# KiCad board control-logic-midplane.kicad_pcb (continued)
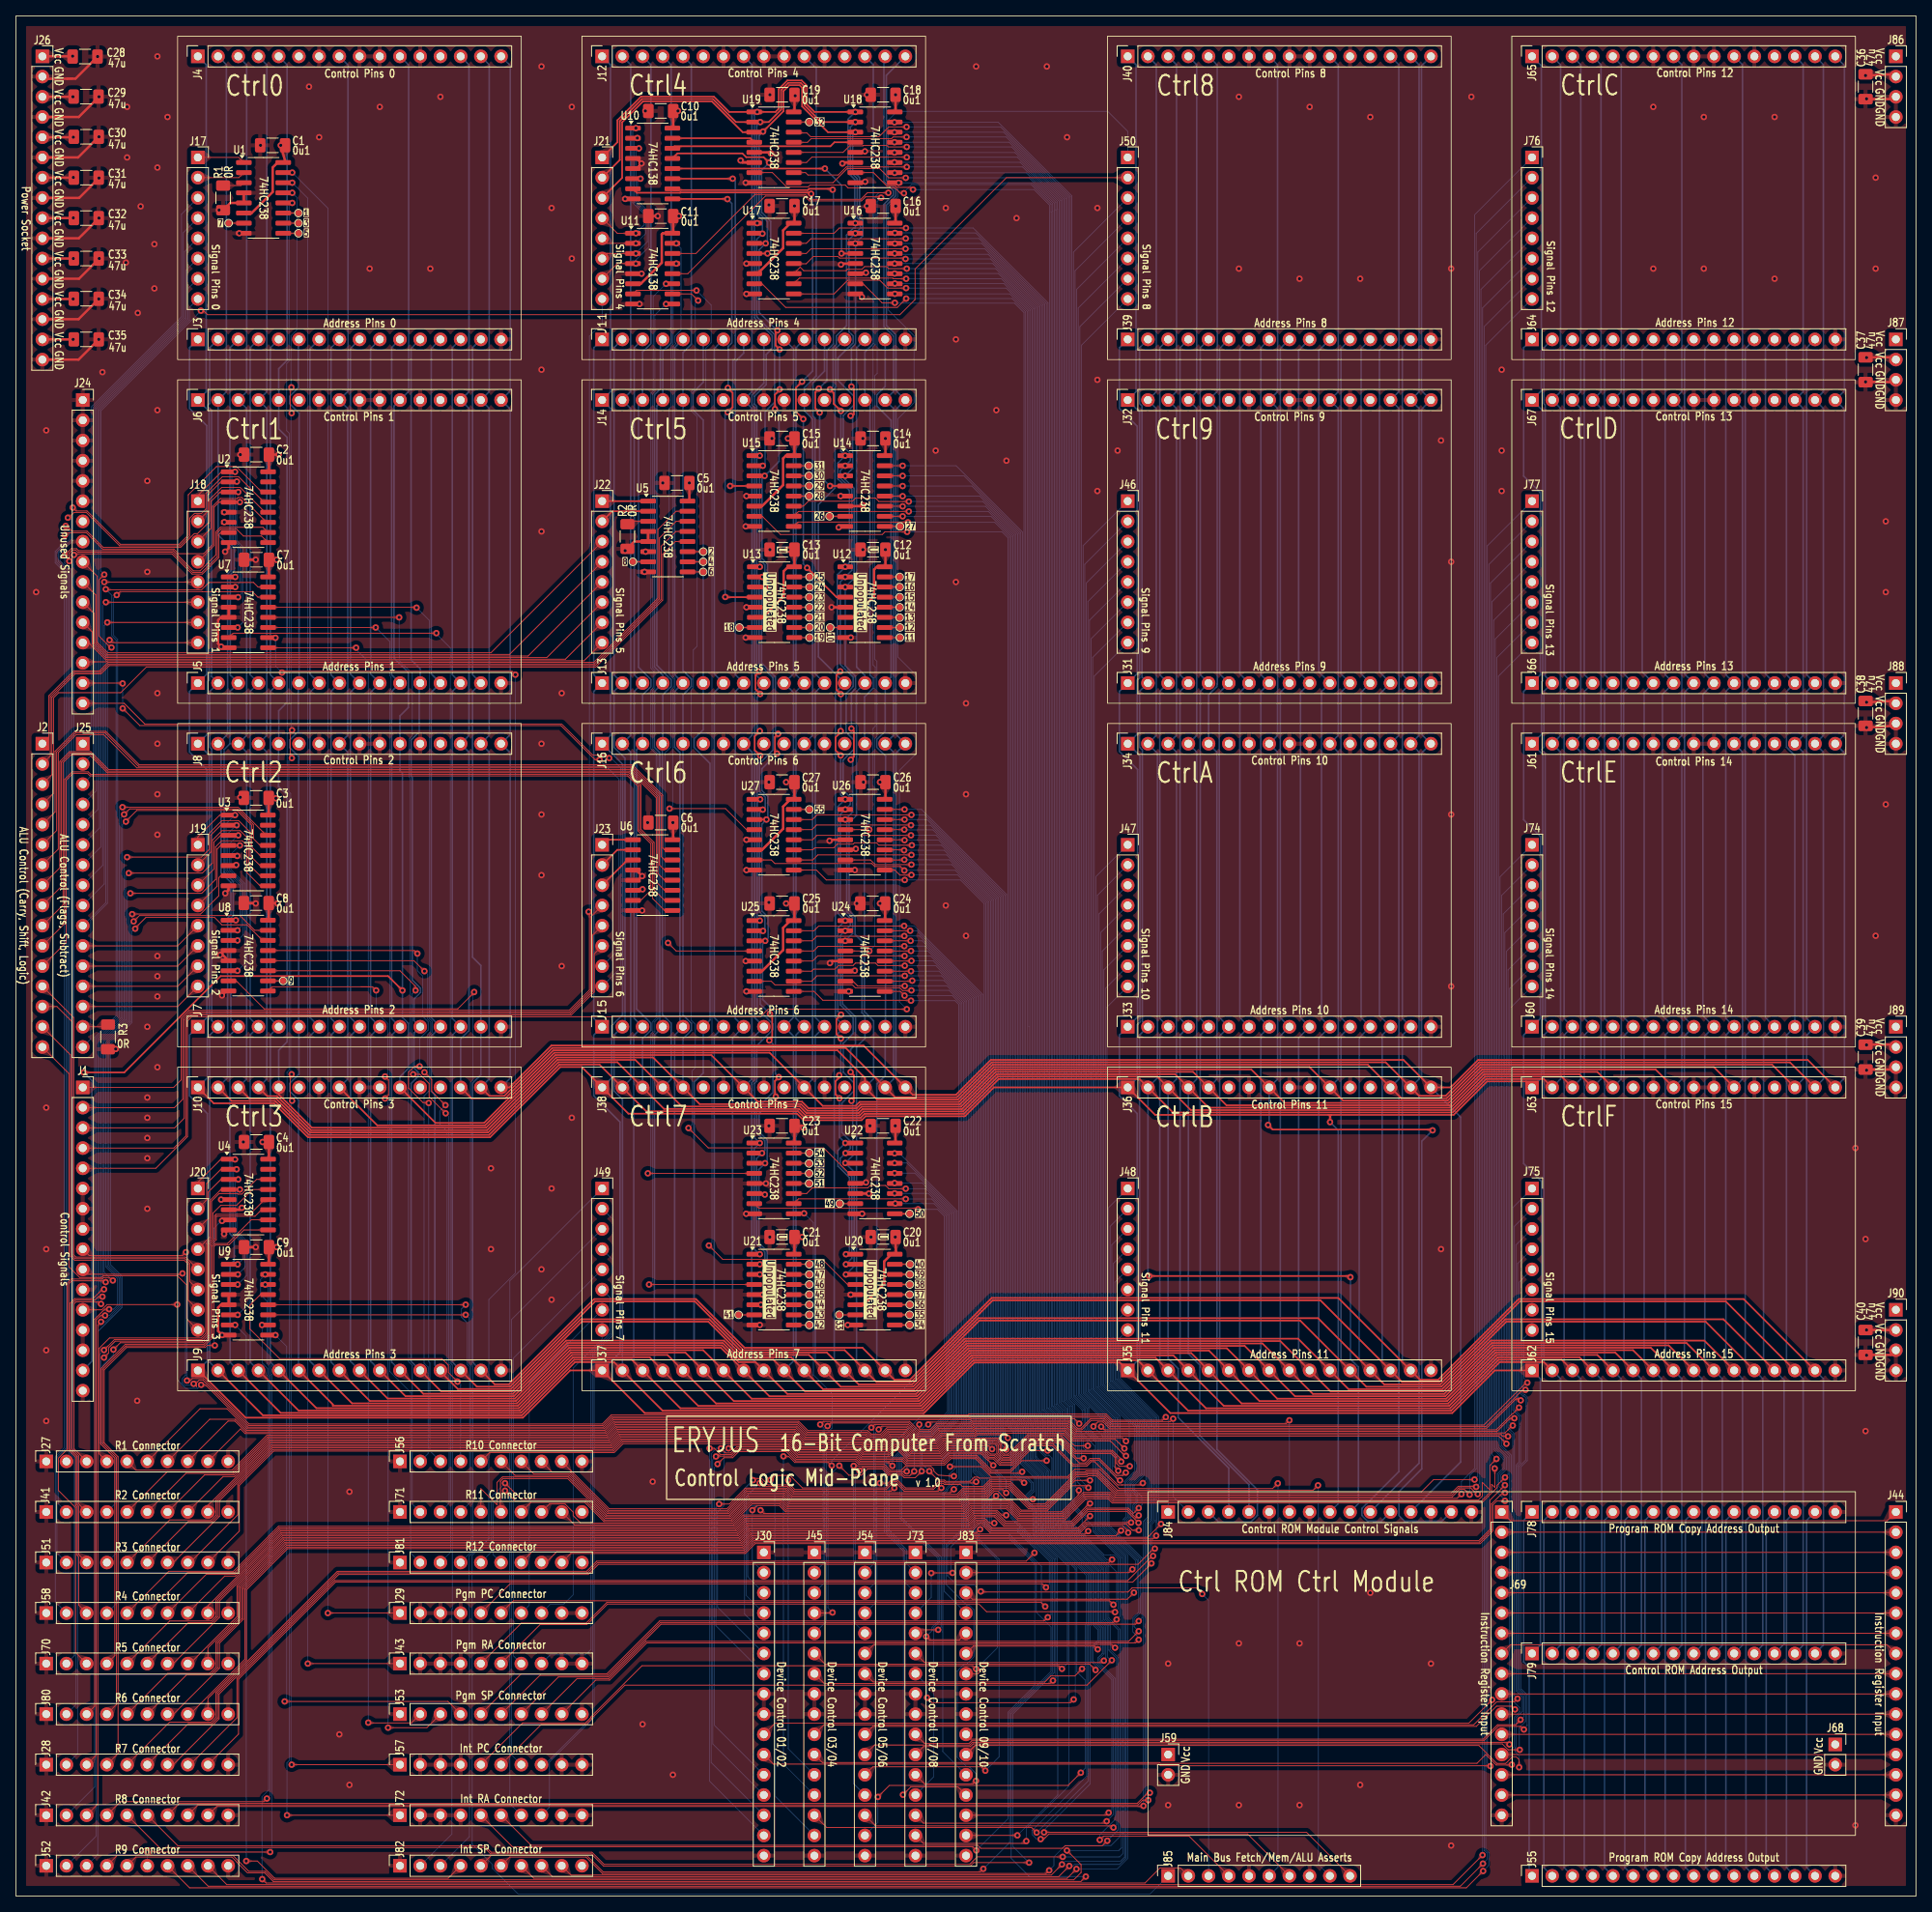
[diagram p0: board, top side]
## Routing (per net, layer and track width the routed paths; a pad name or vN(x,y) marks a point on that pad's centre or on a via; arc(x,y) is an arc through that point) (continued)
SignalMainBusAssertDev05: length 107.6
  Top w0.1: v1(120.66,52.06) 120.51,51.91 116.76,51.91 116.61,52.06 115.96,52.06 115.18,51.28 111.77,51.28 110.79,52.26 109.98,52.26 109.6,51.88 v1(108.56,51.88) ; U24.15 v1(112.37,121.29)
  Bottom w0.1: J54.4 108.18,37.06 108.18,51.5 v1(108.56,51.88) ; v1(112.37,121.29) 113.18,121.29 121.27,113.2 121.27,58.97 121.26,58.96 121.26,58.43 120.06,57.23 120.06,52.65 v1(120.66,52.06)
SignalMainBusAssertDev06: length 130.4
  Top w0.1: v1(121.81,15.75) 121.33,16.24 107.68,16.24 J54.12 ; U24.14 v1(112.42,120.02)
  Bottom w0.1: v1(112.42,120.02) 113.89,120.02 120.87,113.03 120.87,59.13 120.86,59.12 120.86,58.59 119.66,57.4 119.66,46.19 123.54,42.32 123.54,17.48 v1(121.81,15.75)
SignalMainBusAssertDev07: length 95.9
  Top w0.1: U24.13 v1(112.47,118.75) ; v1(115.01,40.58) 115.04,40.61 v1(117.69,40.61)
  Bottom w0.1: v1(115.01,40.58) 115.01,37.54 J73.4 ; v1(117.69,40.61) 117.46,40.83 117.46,43.85 119.26,45.66 119.26,57.57 120.45,58.76 120.45,59.29 120.47,59.3 120.47,112.87 114.59,118.75 v1(112.47,118.75)
SignalMainBusAssertDev08: length 124.6
  Top w0.1: U24.12 112.5,117.48 v1(112.52,117.5) ; v1(120.64,14.48) 120.26,14.1 114.17,14.1 J73.12
  Bottom w0.1: v1(112.52,117.5) 115.27,117.5 120.07,112.7 120.07,59.46 120.05,59.45 120.05,58.93 118.86,57.73 118.86,46.11 116.86,44.11 116.86,39.16 119.46,36.56 119.79,36.56 120.38,35.97 120.38,30.07 119.44,29.13 119.14,29.13 118.28,28.28 118.28,17.44 119.48,16.24 119.79,16.24 120.64,15.4 v1(120.64,14.48)
SignalMainBusAssertDev09: length 91.4
  Top w0.1: U24.11 v1(112.47,116.21)
  Bottom w0.1: v1(112.47,116.21) 116,116.21 119.67,112.54 119.67,59.63 119.66,59.62 119.66,59.09 118.46,57.9 118.46,52.53 117.07,51.13 117.07,50.96 116.66,50.55 116.66,38.28 J83.4
SignalMainBusAssertDev10: length 110.8
  Top w0.1: v1(112.62,115.01) 112.55,114.94 109.16,114.94
  Bottom w0.1: v1(112.62,115.01) 112.65,115.04 116.6,115.04 119.27,112.37 119.27,59.8 119.26,59.78 119.26,59.26 118.06,58.06 118.06,53.78 117.28,53 117.28,52.51 117.29,52.51 117.29,51.63 116.86,51.21 116.86,51.04 116.46,50.63 116.46,33.7 116.47,33.7 116.47,33.21 116.46,33.21 116.46,18.16 J83.12
SignalMainBusAssertFetch: length 168
  Top w0.1: v1(111.66,118.11) 111.56,118.14 100.76,118.14 100.1,117.48 U25.12 ; v1(149.06,37.96) 148.3,38.71 140.24,38.71 139.73,38.2 121.32,38.2 v1(121.23,38.28)
  Bottom w0.1: v1(149.06,37.96) 149.86,37.16 J85.3 ; v1(111.66,118.11) 114.94,118.11 120.27,112.78 120.27,59.38 120.26,59.37 120.26,58.84 119.06,57.65 119.06,46.02 117.06,44.02 117.06,40.23 118.19,39.1 120.42,39.1 v1(121.23,38.28)
SignalMainBusAssertIntPC: length 181.1
  Top w0.1: J57.5 63.67,21.76 71.58,21.76 72.22,22.4 72.22,22.49 78.67,28.94 120.25,28.94 v1(120.66,28.53) ; v1(111.63,119.35) 111.6,119.33 100.81,119.33 100.23,118.75 U25.13
  Bottom w0.1: v1(111.63,119.35) 114.26,119.35 120.67,112.95 120.67,59.22 120.66,59.2 120.66,58.68 119.46,57.48 119.46,46.11 123.33,42.24 123.33,31.21 v1(120.66,28.53)
SignalMainBusAssertIntRA: length 207.2
  Top w0.1: v1(111.63,120.62) 111.6,120.6 100.63,120.6 100.05,120.02 U25.14 ; J72.5 62.4,6.18 120.23,6.18 v1(120.69,5.73)
  Bottom w0.1: v1(111.63,120.62) 113.56,120.62 121.07,113.12 121.07,59.05 121.05,59.04 121.05,58.51 119.86,57.32 119.86,52.03 120.39,51.51 120.39,46.41 120.38,46.4 120.38,45.76 121.07,45.06 124.66,45.06 128.01,41.71 128.01,26.45 124.66,23.09 124.66,9.7 v1(120.69,5.73)
SignalMainBusAssertIntSP: length 212.9
  Top w0.1: v1(121.56,3.43) 121.17,3.04 73.78,3.04 71.71,5.11 59.72,5.11 J82.5 ; U25.15 100.28,121.29 100.86,121.87 111.58,121.87 v1(111.61,121.89)
  Bottom w0.1: v1(111.61,121.89) 112.85,121.89 121.47,113.28 121.47,58.88 121.45,58.87 121.45,58.35 120.26,57.15 120.26,53.28 121.36,52.19 121.36,47.1 120.58,46.32 120.58,45.84 121.16,45.26 124.74,45.26 128.21,41.79 128.21,35.66 130.05,33.81 130.05,28.21 124.86,23.01 124.86,6.73 v1(121.56,3.43)
SignalMainBusAssertMemory: length 168.2
  Top w0.1: 104.2,114.94 105.18,114.94 105.76,114.35 v1(111.68,114.35) ; v1(117.36,53.96) 121.29,53.96 122.54,52.71 132.16,52.71 133.06,53.61 136.22,53.61 138.63,51.2 157.91,51.2 v1(158.56,51.86)
  Bottom w0.1: v1(111.68,114.35) 111.7,114.37 116.98,114.37 119.07,112.29 119.07,59.88 119.05,59.87 119.05,59.34 117.86,58.15 117.86,54.46 v1(117.36,53.96) ; v1(158.56,51.86) 158.58,51.84 158.58,3.64 J85.6
SignalMainBusAssertPgmPC: length 185.3
  Top w0.1: J29.5 62.1,39.24 128.97,39.24 v1(129.44,38.78) ; 104.2,130.18 107.38,130.18 107.97,129.59 v1(112.52,129.59)
  Bottom w0.1: v1(112.52,129.59) 117.61,129.59 122.27,124.94 122.27,58.55 122.26,58.54 122.26,58.01 121.08,56.84 121.08,53.59 122.16,52.52 122.16,46.53 122.61,46.08 125.88,46.08 129.85,42.1 129.85,39.2 v1(129.44,38.78)
SignalMainBusAssertPgmRA: length 182.5
  Top w0.1: v1(129.33,36.38) 128.81,36.9 74.26,36.9 71.66,34.31 63.51,34.31 J43.5 ; v1(112.52,128.3) 112.5,128.3 112.48,128.27 111.07,128.27 110.44,128.91 U26.9
  Bottom w0.1: v1(112.52,128.3) 118.34,128.3 121.87,124.77 121.87,58.72 121.86,58.71 121.86,58.18 120.66,56.99 120.66,53.45 121.76,52.35 121.76,46.37 122.45,45.68 124.61,45.68 128.85,41.44 128.85,36.86 v1(129.33,36.38)
SignalMainBusAssertPgmSP: length 188
  Top w0.1: J53.5 63.49,27.93 74.26,27.93 80.89,34.56 129.19,34.56 v1(129.66,35.03) ; U26.10 111.61,130.18 v1(111.63,130.2)
  Bottom w0.1: v1(129.66,35.03) 130.05,35.32 130.05,42.19 125.97,46.28 122.69,46.28 122.36,46.61 122.36,52.6 121.28,53.68 121.28,56.76 122.45,57.93 122.45,58.46 122.47,58.47 122.47,125.02 117.29,130.2 v1(111.63,130.2)
SignalMainBusAssertR1: length 214.8
  Top w0.1: U27.14 100.08,135.26 100.66,135.84 112.27,135.84 v1(112.52,135.84) ; v1(124.64,57.56) 124.23,57.96 120.83,57.96 120.63,57.76 116.32,57.76 115.54,56.98 112.97,56.98 111.71,58.24 109.69,58.24 108.9,57.45 107.22,57.45 106.8,57.88 99.28,57.88 98.12,59.04 75.38,59.04 74.25,57.91 31.54,57.91 27.14,53.51 15.07,53.51 J27.5
  Bottom w0.1: v1(124.64,57.56) 124.27,57.92 124.27,125.76 114.19,135.84 v1(112.52,135.84)
SignalMainBusAssertR2: length 217.4
  Top w0.1: v1(124.44,56.11) 124.44,56.51 123.39,57.56 116.4,57.56 115.62,56.78 112.89,56.78 111.63,58.04 109.77,58.04 108.98,57.25 107.14,57.25 106.71,57.68 99.2,57.68 98.03,58.84 75.47,58.84 74.34,57.71 31.63,57.71 27.23,53.31 19.02,53.31 J41.5 ; v1(112.47,134.54) 112.45,134.57 100.61,134.57 100.03,133.99 U27.13
  Bottom w0.1: v1(124.44,56.11) 123.86,56.69 123.86,57.88 123.87,57.89 123.87,125.6 114.92,134.54 v1(112.47,134.54)
SignalMainBusAssertR3: length 217.3
  Top w0.1: J51.5 19.32,47.26 24.54,47.26 25.13,47.85 25.13,49.8 32.04,56.71 74.75,56.71 75.88,57.84 97.62,57.84 98.78,56.68 106.3,56.68 106.72,56.25 109.4,56.25 110.19,57.04 111.21,57.04 112.47,55.78 116.04,55.78 116.82,56.56 122.26,56.56 v1(122.66,56.16) ; U27.12 100.1,132.72 100.65,133.27 112.46,133.27 v1(112.47,133.27)
  Bottom w0.1: v1(112.47,133.27) 115.63,133.27 123.47,125.43 123.47,58.06 123.45,58.04 123.45,56.95 v1(122.66,56.16)
SignalMainBusAssertR4: length 224
  Top w0.1: v1(112.57,132.03) 108.44,132.03 108.13,132.33 105.37,132.33 105.2,132.17 103.21,132.17 102.74,131.7 100.38,131.7 100.13,131.45 U27.11 ; v1(124.44,47.86) 123.89,47.86 123.28,48.46 120.17,48.46 119.39,47.68 91.47,47.68 90.25,46.46 32.98,46.46 27.34,40.81 19.22,40.81 J58.5
  Bottom w0.1: v1(112.57,132.03) 116.31,132.03 123.07,125.27 123.07,58.22 123.05,58.21 123.05,57.68 121.88,56.51 121.88,53.93 122.49,53.33 123.11,53.33 123.74,52.69 123.74,48.55 v1(124.44,47.86)
SignalMainBusAssertR5: length 224.9
  Top w0.1: v1(112.52,130.81) 100.76,130.81 100.13,130.18 U27.10 ; v1(122.94,46.86) 122.34,46.86 121.73,47.46 120.59,47.46 119.81,46.68 91.89,46.68 90.66,45.46 33.4,45.46 25.13,37.19 25.13,35.15 24.54,34.56 19.32,34.56 J70.5
  Bottom w0.1: v1(112.52,130.81) 116.96,130.81 122.67,125.1 122.67,58.39 122.66,58.38 122.66,57.85 121.48,56.67 121.48,53.76 122.55,52.69 122.55,47.24 v1(122.94,46.86)
SignalMainBusAssertR6: length 226.3
  Top w0.1: v1(111.68,127.66) 101.83,127.66 100.58,128.91 U27.9 ; J80.5 19.09,27.98 24.35,27.98 25.13,28.76 25.13,31.9 28.17,34.94 28.17,38.81 33.81,44.46 91.08,44.46 92.3,45.68 120.76,45.68 v1(121.16,46.08)
  Bottom w0.1: v1(121.16,46.08) 121.55,46.48 121.55,52.27 120.46,53.36 120.46,57.07 121.66,58.26 121.66,58.79 121.67,58.8 121.67,124.69 118.69,127.66 v1(111.68,127.66)
SignalMainBusAssertR7: length 245.5
  Top w0.1: U27.7 94.92,130.18 95.37,129.73 107.55,129.73 107.92,129.36 111.13,129.36 v1(111.63,128.85) ; v1(127.98,43.13) 126.94,42.08 72.98,42.08 71.71,40.81 40.39,40.81 25.13,25.55 25.13,22.45 24.54,21.86 19.32,21.86 J28.5
  Bottom w0.1: v1(111.63,128.85) 111.65,128.88 118.05,128.88 122.07,124.85 122.07,58.64 122.05,58.62 122.05,58.1 120.86,56.9 120.86,53.53 121.95,52.44 121.95,46.45 122.53,45.88 125.8,45.88 127.98,43.69 v1(127.98,43.13)
SignalMainBusAssertR8: length 263.3
  Top w0.1: J42.5 18.4,5.73 18.78,6.11 58.84,6.11 59.64,5.31 72.3,5.31 73.83,3.78 119.92,3.78 120.34,4.21 v1(127.31,4.21) ; 109.16,136.53 111.63,136.53 111.66,136.5
  Bottom w0.1: v1(127.31,4.21) 125.26,6.26 125.26,22.85 130.45,28.05 130.45,42.35 125.22,47.58 125.22,58.41 124.47,59.17 124.47,125.85 113.79,136.53 v1(111.66,136.53)
SignalMainBusAssertR9: length 277.3
  Top w0.1: J52.5 15.07,4.91 27.13,4.91 27.77,4.27 27.77,4.25 29.1,2.91 31.27,2.91 32.34,1.84 133.82,1.84 v1(134.44,2.46) ; U26.14 v1(111.66,135.26)
  Bottom w0.1: v1(134.44,2.46) 127.33,2.46 125.05,4.74 125.05,22.93 130.25,28.13 130.25,42.27 125.02,47.5 125.02,56.35 124.05,57.31 124.05,57.8 124.07,57.81 124.07,125.68 114.49,135.26 v1(111.66,135.26)
SignalMainBusAssertR10: length 157.5
  Top w0.1: v1(122.81,54.11) 122.18,54.73 122.13,54.73 121.3,55.56 117.23,55.56 116.45,54.78 112.06,54.78 110.8,56.04 110.6,56.04 109.81,55.25 106.31,55.25 105.88,55.68 98.37,55.68 97.2,56.84 76.3,56.84 75.17,55.71 59.52,55.71 J56.5 ; U26.13 v1(111.63,133.99)
  Bottom w0.1: v1(122.81,54.11) 123.66,54.95 123.66,57.96 123.67,57.97 123.67,125.52 115.22,133.96 111.65,133.96 v1(111.63,133.99)
SignalMainBusAssertR11: length 170.7
  Top w0.1: v1(124.44,50.66) 124.03,51.06 122.84,51.06 122.04,50.26 119.43,50.26 118.65,49.48 97.2,49.48 96.42,50.26 92.07,50.26 89.67,47.86 74.21,47.86 69.41,52.66 61.14,52.66 60.45,51.97 60.45,49.16 58.42,51.19 J71.5 ; U26.12 111.61,132.72 v1(111.66,132.66)
  Bottom w0.1: v1(124.44,50.66) 124.44,52.28 123.19,53.53 122.57,53.53 122.08,54.01 122.08,56.43 123.26,57.6 123.26,58.13 123.27,58.14 123.27,125.35 115.95,132.66 v1(111.66,132.66)
SignalMainBusAssertR12: length 169.6
  Top w0.1: U26.11 111.61,131.45 111.63,131.42 ; v1(123.16,50.28) 122.74,49.86 119.59,49.86 118.81,49.08 97.04,49.08 96.26,49.86 92.24,49.86 89.83,47.46 74.05,47.46 71.64,49.86 63.48,49.86 v1(61.46,51.88)
  Bottom w0.1: v1(111.61,131.39) 116.66,131.39 122.87,125.18 122.87,58.3 122.86,58.29 122.86,57.77 121.68,56.59 121.68,53.85 122.4,53.13 123.02,53.13 123.54,52.61 123.54,50.66 v1(123.16,50.28) ; v1(61.46,51.88) 59.76,50.18 59.76,43.25 J81.5
SignalMainBusAssertSwapALUResult: length 255.1
  Top w0.1: J85.10 162.17,8 v1(129.19,8)
  Bottom w0.1: v1(129.19,8) 129.18,8.3 134.95,14.08 134.95,33.87 135.11,34.02 135.11,40.52 129.58,46.05 129.58,53.25 127.82,55.01 127.82,59.49 127.07,60.24 127.07,199.11 124.87,201.31 v1(110.45,201.31)
SignalMainBusAssertSwapCtl01: length 218.8
  Top w0.1: v1(127.79,49.86) 127.19,49.86 124.98,52.06 122.42,52.06 121.62,51.26 119.01,51.26 118.23,50.48 97.62,50.48 96.84,51.26 91.66,51.26 89.65,49.26 v1(88.36,49.26) ; U15.11 98.95,174.62 99.57,175.25 105.1,175.25 105.5,175.64 108.01,175.64 108.44,175.21 v1(112.19,175.21)
  Bottom w0.1: J30.7 87.96,33.96 87.96,48.86 v1(88.36,49.26) ; v1(127.79,49.86) 128.18,50.25 128.18,52.67 126.42,54.43 126.42,58.91 125.67,59.66 125.67,171.05 121.51,175.21 v1(112.19,175.21)
SignalMainBusAssertSwapCtl02: length 240.6
  Top w0.1: U15.10 98.33,173.96 v1(112.19,173.96) ; v1(87.16,56.26) 87.76,56.26 88.54,55.48 89.89,55.48 90.65,56.24 96.96,56.24 98.12,55.08 105.64,55.08 106.06,54.65 111.34,54.65 111.81,54.18 116.7,54.18 117.48,54.96 120.57,54.96 122.4,53.13 126.26,53.13 v1(126.44,53.31)
  Bottom w0.1: v1(87.16,56.26) 87.16,14.44 J30.15 ; v1(126.44,53.31) 126.29,53.31 126.02,53.57 126.02,58.74 125.27,59.5 125.27,170.89 122.19,173.96 v1(112.19,173.96)
SignalMainBusAssertSwapCtl03: length 206.1
  Top w0.1: J45.7 101.57,26.7 129.93,26.7 v1(130.31,27.08) ; v1(112.09,172.59) 112.05,172.64 98.28,172.64 U15.9
  Bottom w0.1: v1(130.31,27.08) 130.66,27.43 130.66,42.43 127.78,45.31 127.78,48.47 126.8,49.45 126.8,50.26 127.58,51.04 127.58,51.86 126.91,52.53 126.11,52.53 125.62,53.01 125.62,58.58 124.87,59.33 124.87,170.72 122.99,172.59 v1(112.09,172.59)
SignalMainBusAssertSwapCtl04: length 234.4
  Top w0.1: v1(126.69,51.93) 126.33,52.28 122.36,52.28 121.54,51.46 118.93,51.46 118.69,51.71 116.68,51.71 116.53,51.86 116.04,51.86 115.26,51.08 111.69,51.08 110.71,52.06 110.06,52.06 109.28,51.28 98.84,51.28 97.26,52.86 95.39,52.86 v1(94.81,52.28) ; U15.7 93.78,173.36 96.07,171.07 108.86,171.07 109.19,171.4 v1(111.99,171.4)
  Bottom w0.1: v1(126.69,51.93) 126.42,51.93 125.42,52.93 125.42,58.49 124.67,59.25 124.67,170.64 123.91,171.4 v1(111.99,171.4) ; v1(94.81,52.28) 95.36,51.73 95.36,12.59 J45.15
SignalMainBusAssertSwapCtl05: length 196.1
  Top w0.1: v1(133.96,28.56) 133.06,27.66 130.04,27.66 129.28,26.9 107.72,26.9 J54.7 ; U14.15 v1(111.42,179.71)
  Bottom w0.1: 128.98,46.56 128.98,53 127.22,54.76 127.22,59.24 126.47,60 126.47,171.38 118.14,179.71 v1(111.42,179.71) ; 128.98,46.56 128.98,45.81 134.51,40.28 134.51,34.27 134.35,34.12 134.35,28.95 v1(133.96,28.56) ; 128.98,46.56 128.98,45.96
SignalMainBusAssertSwapCtl06: length 211.7
  Top w0.1: v1(111.42,178.43) 111.42,178.44 U14.14 ; v1(108.31,12.46) 109.76,13.9 132.2,13.9 v1(133.81,15.5)
  Bottom w0.1: v1(111.42,178.43) 119.14,178.43 126.27,171.3 126.27,59.91 127.02,59.16 127.02,54.67 128.78,52.92 128.78,45.72 133.31,41.19 133.31,28.18 134.35,27.13 134.35,16.05 v1(133.81,15.5) ; J54.15 108.31,9.25 v1(108.31,12.46)
SignalMainBusAssertSwapCtl07: length 191.4
  Top w0.1: v1(132.91,24.71) 132.5,24.3 115.11,24.3 v1(114.48,24.93) ; U14.13 111.41,177.17 v1(111.42,177.16)
  Bottom w0.1: v1(114.48,24.93) 114.48,26.49 J73.7 ; v1(132.91,24.71) 133.11,24.91 133.11,41.11 128.58,45.64 128.58,52.83 126.82,54.59 126.82,59.07 126.07,59.83 126.07,171.22 120.13,177.16 v1(111.42,177.16)
SignalMainBusAssertSwapCtl08: length 202.3
  Top w0.1: J73.15 114.03,6.62 126.67,6.62 v1(126.96,6.91) ; 109.16,175.9 111.41,175.9 v1(111.42,175.88)
  Bottom w0.1: v1(126.96,6.91) 126.96,8.47 132.33,13.84 132.33,41.61 128.38,45.56 128.38,52.75 126.62,54.51 126.62,58.99 125.87,59.75 125.87,171.13 121.12,175.88 v1(111.42,175.88)
SignalMainBusAssertSwapCtl09: length 176.6
  Top w0.1: v1(131.44,28.56) 131.05,28.94 121.89,28.94 120.89,27.94 J83.7 ; v1(111.42,174.61) 111.4,174.62 U14.11
  Bottom w0.1: v1(131.44,28.56) 132.13,29.25 132.13,41.53 128.18,45.48 128.18,48.64 127.2,49.61 127.2,50.1 127.98,50.87 127.98,52.59 126.22,54.34 126.22,58.82 125.47,59.58 125.47,170.97 121.83,174.61 v1(111.42,174.61)
SignalMainBusAssertSwapCtl10: length 192.2
  Top w0.1: U14.10 v1(111.42,173.36) ; v1(125.83,7.63) 125.83,7.62 J83.15
  Bottom w0.1: v1(125.83,7.63) 130.91,12.71 130.91,27.59 130.85,27.65 130.85,42.52 127.98,45.39 127.98,48.56 127.01,49.53 127.01,50.18 127.78,50.95 127.78,51.94 126.99,52.73 126.19,52.73 125.82,53.1 125.82,58.66 125.07,59.42 125.07,170.8 122.52,173.36 v1(111.42,173.36)
SignalMainBusAssertSwapDev01: length 249.4
  Top w0.1: v1(129.63,55.98) 127.39,55.98 124.94,53.53 122.57,53.53 120.73,55.36 117.31,55.36 116.53,54.58 111.98,54.58 111.51,55.05 106.23,55.05 105.8,55.48 98.29,55.48 97.12,56.64 89.92,56.64 v1(89.54,56.26) ; v1(111.94,204.47) 109.66,204.47 109.4,204.72 106.64,204.72 106.3,204.39 104.48,204.39 104.31,204.22 98.98,204.22 98.55,204.66 U17.11
  Bottom w0.1: v1(129.63,55.98) 128.82,56.79 128.82,59.9 128.08,60.64 128.08,199.51 123.12,204.47 v1(111.94,204.47) ; J30.6 88.16,36.3 88.16,48.23 88.96,49.03 88.96,55.68 v1(89.54,56.26)
SignalMainBusAssertSwapDev02: length 270.9
  Top w0.1: v1(129.51,54.71) 126.4,54.71 125.02,53.33 122.49,53.33 120.65,55.16 117.4,55.16 116.62,54.38 111.89,54.38 111.42,54.85 106.14,54.85 105.72,55.28 98.2,55.28 97.04,56.44 90.57,56.44 89.81,55.68 89.17,55.68 v1(88.59,56.26) ; v1(111.86,203.2) 110.25,203.2 110.18,203.28 98.44,203.28 97.73,202.56
  Bottom w0.1: v1(111.86,203.2) 123.83,203.2 127.68,199.34 127.68,60.48 128.42,59.74 128.42,56.09 129.51,55 v1(129.51,54.71) ; J30.14 87.36,16.78 87.36,55.58 88.04,56.26 v1(88.59,56.26)
SignalMainBusAssertSwapDev03: length 243.2
  Top w0.1: J45.6 101.67,29.14 134.92,29.14 v1(135.66,28.41) ; v1(111.86,202.03) 109.53,202.03 108.54,203.02 104.52,203.02 102.8,201.3 U17.9
  Bottom w0.1: v1(111.86,202.03) 124.43,202.03 127.27,199.19 127.27,109.27 127.28,109.25 127.28,60.31 128.02,59.57 128.02,55.09 129.78,53.33 129.78,46.14 135.31,40.61 135.31,34.11 135.93,33.49 135.93,32.1 135.16,31.33 135.16,29.47 135.94,28.68 v1(135.66,28.41)
SignalMainBusAssertSwapDev04: length 262.4
  Top w0.1: v1(111.86,200.71) 110.75,199.6 96.71,199.6 93.75,202.56 92.78,202.56 ; v1(128.26,7.98) 127.62,8.62 101.87,8.62 J45.14
  Bottom w0.1: v1(111.86,200.71) 125.18,200.71 126.87,199.03 126.87,60.16 127.62,59.4 127.62,54.92 129.38,53.17 129.38,45.97 134.91,40.44 134.91,34.11 134.75,33.95 134.75,14.48 v1(128.26,7.98)
SignalMainBusAssertSwapDev05: length 227.6
  Top w0.1: J54.6 107.81,31.61 137.71,31.61 v1(138.11,31.21)
  Bottom w0.1: v1(138.11,31.21) 138.5,31.6 138.5,33.46 137.11,34.85 137.11,41.35 131.58,46.88 131.58,56.58 130.22,57.93 130.22,60.48 129.48,61.22 129.48,200.09 120.62,208.96 v1(110.45,208.96)
SignalMainBusAssertSwapDev06: length 249
  Top w0.1: v1(137.91,8.61) 137.69,8.82 108.02,8.82 J54.14
  Bottom w0.1: v1(137.91,8.61) 138.3,9 138.3,29.91 137.33,30.88 137.33,34.07 136.71,34.69 136.71,41.19 131.18,46.72 131.18,56.41 129.82,57.77 129.82,60.32 129.08,61.06 129.08,199.92 121.37,207.63 v1(110.45,207.63)
SignalMainBusAssertSwapDev07: length 218.9
  Top w0.1: J73.6 114.17,29.34 136.47,29.34 v1(136.71,29.58)
  Bottom w0.1: v1(110.42,206.38) 110.53,206.27 122.17,206.27 128.68,199.76 128.68,60.89 129.42,60.15 129.42,57.6 130.78,56.24 130.78,46.55 136.31,41.02 136.31,34.52 136.93,33.9 136.93,29.8 v1(136.71,29.58)
SignalMainBusAssertSwapDev08: length 239.7
  Top w0.1: v1(137.06,9.41) 136.81,9.16 114.03,9.16 J73.14
  Bottom w0.1: v1(110.42,205.11) 122.77,205.11 128.28,199.59 128.28,60.73 129.02,59.98 129.02,57.43 130.38,56.08 130.38,46.39 135.91,40.86 135.91,34.35 136.53,33.73 136.53,30.5 135.93,29.9 135.93,29.26 137.91,27.28 137.91,10.25 v1(137.06,9.41)
SignalMainBusAssertSwapDev09: length 208.7
  Top w0.1: J83.6 120.3,31.41 135.53,31.41 v1(135.94,31.01)
  Bottom w0.1: v1(135.94,31.01) 136.33,31.4 136.33,33.65 135.71,34.27 135.71,40.77 130.18,46.3 130.18,55.04 129.81,55.4 129.39,55.4 128.62,56.17 128.62,59.82 127.88,60.56 127.88,199.42 123.45,203.86 v1(110.42,203.86)
SignalMainBusAssertSwapDev10: length 230.3
  Top w0.1: J83.14 136.99,10.16 v1(137.31,10.48)
  Bottom w0.1: v1(110.45,202.61) 124.14,202.61 127.48,199.26 127.48,60.39 128.22,59.65 128.22,55.17 129.98,53.41 129.98,46.22 135.51,40.69 135.51,34.19 136.13,33.57 136.13,32.02 135.35,31.25 135.35,29.55 137.7,27.2 137.7,10.88 v1(137.31,10.48)
SignalMainBusAssertSwapFetch: length 250.1
  Top w0.1: J85.4 147.41,7.54 136.66,7.54 v1(136.19,7.06) ; v1(111.79,205.69) 111.68,205.8 103.49,205.8 103.29,205.99 100.2,205.99 99.29,205.08 97.75,205.08
  Bottom w0.1: v1(136.19,7.06) 136.19,7.7 138.1,9.62 138.1,27.36 136.13,29.34 136.13,29.82 136.73,30.42 136.73,33.82 136.11,34.44 136.11,40.94 130.58,46.47 130.58,56.16 129.22,57.52 129.22,60.07 128.48,60.81 128.48,199.67 122.47,205.69 v1(111.79,205.69)
SignalMainBusAssertSwapIntPC: length 290.5
  Top w0.1: v1(137.71,29.63) 134.58,26.5 76.51,26.5 72.42,22.41 72.42,22.32 71.66,21.56 66.01,21.56 J57.6 ; U17.13 99.31,206.38 99.9,206.96 111.78,206.96 v1(111.79,206.96)
  Bottom w0.1: v1(137.71,29.63) 137.13,30 137.13,33.98 136.51,34.6 136.51,41.1 130.98,46.63 130.98,56.33 129.62,57.68 129.62,60.23 128.88,60.97 128.88,199.84 121.76,206.96 v1(111.79,206.96)
SignalMainBusAssertSwapIntRA: length 311
  Top w0.1: v1(111.81,208.25) 111.78,208.23 99.89,208.23 99.31,207.65 U17.14 ; J72.6 64.74,6.38 120.86,6.38 121.23,6 131.51,6 131.82,6.31 136.49,6.31 v1(137.13,6.96)
  Bottom w0.1: v1(111.81,208.25) 121.03,208.25 129.28,200 129.28,61.14 130.02,60.4 130.02,57.85 131.38,56.49 131.38,46.8 136.91,41.27 136.91,34.77 137.53,34.15 137.53,30.96 138.5,29.99 138.5,8.33 v1(137.13,6.96)
SignalMainBusAssertSwapIntSP: length 314.2
  Top w0.1: J82.6 62.06,4.91 71.63,4.91 73.7,2.84 129.44,2.84 v1(129.83,3.23) ; v1(111.84,209.57) 103.46,209.57 102.8,208.92 U17.15
  Bottom w0.1: v1(111.84,209.57) 120.28,209.57 129.68,200.17 129.68,61.31 130.42,60.56 130.42,58.01 131.78,56.66 131.78,46.97 137.33,41.42 137.33,34.91 138.7,33.54 138.7,7.46 137.6,6.36 131.84,6.36 130.42,4.94 130.42,3.82 v1(129.83,3.23)
SignalMainBusAssertSwapMemory: length 255.2
  Top w0.1: 105.48,202.56 106.45,202.56 108.83,200.18 v1(110.45,200.18) ; v1(128.76,7.16) 129.16,7.16 129.81,7.81 154.75,7.81 J85.7
  Bottom w0.1: v1(128.76,7.16) 128.26,7.16 127.68,7.74 127.68,8.22 134.55,15.1 134.55,34.03 134.71,34.19 134.71,40.36 129.18,45.89 129.18,53.08 127.42,54.84 127.42,59.32 126.67,60.08 126.67,198.94 125.48,200.13 110.49,200.13 v1(110.45,200.18)
SignalMainBusAssertSwapPgmPC: length 283.4
  Top w0.1: U18.7 107.75,216.54 109.47,214.81 110.54,214.81 110.68,214.68 112.46,214.68 v1(112.73,214.41) ; v1(137.91,36.61) 137.41,37.1 62.5,37.1 J29.6
  Bottom w0.1: v1(137.91,36.61) 138.3,37 138.3,40.72 131.98,47.05 131.98,56.74 130.62,58.1 130.62,60.65 129.88,61.39 129.88,211.51 129.87,211.52 129.87,212.46 127.93,214.41 v1(112.73,214.41)
SignalMainBusAssertSwapPgmRA: length 282.4
  Top w0.1: v1(138.11,35.68) 138.05,35.74 121.96,35.74 120.99,36.7 74.34,36.7 71.74,34.11 65.86,34.11 J43.6
  Bottom w0.1: v1(138.11,35.68) 138.5,36.08 138.5,42.35 138,42.86 137.49,42.86 137.49,42.86 136.74,42.86 132.38,47.21 132.38,56.91 131.02,58.26 131.02,60.81 130.28,61.55 130.28,211.67 130.27,211.69 130.27,212.63 127.64,215.26 v1(110.92,215.26)
SignalMainBusAssertSwapPgmSP: length 285.6
  Top w0.1: v1(138.31,34.76) 137.91,34.36 80.97,34.36 74.34,27.73 65.83,27.73 J53.6
  Bottom w0.1: v1(110.42,216.51) 126.96,216.51 130.67,212.8 130.67,211.85 130.68,211.84 130.68,61.72 131.42,60.98 131.42,58.43 132.78,57.07 132.78,49.04 135.34,46.48 135.34,45.8 138.7,42.44 138.7,35.15 v1(138.31,34.76)
SignalMainBusAssertSwapR1: length 315.6
  Top w0.1: 97.83,221.51 99.39,221.51 99.87,221.04 108.44,221.04 109.68,222.28 v1(111.91,222.28) ; v1(133.6,59.36) 133,59.96 120,59.96 119.88,59.84 75.05,59.84 73.92,58.71 29.05,58.71 26.53,61.23 23.13,61.23 J27.6
  Bottom w0.1: v1(111.91,222.28) 123.73,222.28 132.48,213.53 132.48,62.56 134,61.03 134,59.76 v1(133.6,59.36)
SignalMainBusAssertSwapR2: length 322.9
  Top w0.1: J41.6 21.36,53.11 27.31,53.11 31.71,57.51 74.42,57.51 75.55,58.64 97.95,58.64 99.11,57.48 106.63,57.48 107.06,57.05 109.06,57.05 109.85,57.84 111.54,57.84 112.8,56.58 115.71,56.58 116.49,57.36 123.3,57.36 123.86,56.81 123.86,55.86 124.19,55.53 124.68,55.53 127.11,57.96 131.64,57.96 133.02,56.58 v1(134.69,56.58) ; 97.73,220.35 99.47,220.35 99.92,220.8 110.01,220.8 110.23,221.01 v1(111.91,221.01)
  Bottom w0.1: v1(134.69,56.58) 134.69,57.15 132.82,59.01 132.82,61.65 132.08,62.39 132.08,213.36 124.44,221.01 v1(111.91,221.01)
SignalMainBusAssertSwapR3: length 326.1
  Top w0.1: v1(111.94,219.76) 109.61,219.76 109.4,219.96 106.5,219.96 106.43,219.9 104.75,219.9 103.93,219.08 U19.12 ; J51.6 21.66,47.06 24.63,47.06 25.33,47.76 25.33,49.72 32.12,56.51 74.83,56.51 75.96,57.64 97.54,57.64 98.7,56.48 106.22,56.48 106.64,56.05 109.48,56.05 110.27,56.84 111.13,56.84 112.39,55.58 116.12,55.58 116.9,56.36 121.63,56.36 122.46,55.53 123.05,55.53 123.86,54.73 125.01,54.73 127.44,57.16 131.16,57.16 133.32,55.01 v1(134.16,55.01)
  Bottom w0.1: v1(111.94,219.76) 125.12,219.76 131.68,213.19 131.68,62.22 132.42,61.48 132.42,58.84 133.91,57.36 133.91,55.26 v1(134.16,55.01)
SignalMainBusAssertSwapR4: length 326.4
  Top w0.1: v1(134.96,49.33) 134.87,49.33 132.61,47.08 124.38,47.08 123.2,48.26 120.26,48.26 119.48,47.48 91.55,47.48 90.33,46.26 33.07,46.26 27.42,40.61 21.56,40.61 J58.6 ; v1(111.94,218.47) 111.93,218.48 100.01,218.48 99.34,217.81 U19.11
  Bottom w0.1: v1(111.94,218.47) 125.85,218.47 131.28,213.03 131.28,62 132.02,61.26 132.02,58.68 133.38,57.32 133.38,52.04 134.16,51.26 134.16,50.13 v1(134.96,49.33)
SignalMainBusAssertSwapR5: length 330.8
  Top w0.1: J70.6 21.66,34.36 24.63,34.36 25.33,35.06 25.33,37.1 33.48,45.26 90.74,45.26 91.97,46.48 119.89,46.48 120.67,47.26 121.65,47.26 122.63,46.28 133.49,46.28 134.96,47.75 v1(134.96,47.76) ; U19.10 99.22,216.54 99.52,216.24 103.33,216.24 104.34,217.25 v1(111.94,217.25)
  Bottom w0.1: v1(134.96,47.76) 134.35,47.76 132.98,49.12 132.98,57.16 131.62,58.51 131.62,61.06 130.88,61.8 130.88,211.92 130.87,211.94 130.87,212.88 126.5,217.25 v1(111.94,217.25)
SignalMainBusAssertSwapR6: length 335.8
  Top w0.1: v1(111.81,215.87) 109.68,215.87 108.51,217.05 104.45,217.05 102.67,215.27 U19.9 ; v1(134.73,45.86) 134.35,45.48 120.98,45.48 120.98,45.48 92.38,45.48 91.16,44.26 33.9,44.26 28.37,38.73 28.37,34.86 25.33,31.82 25.33,28.67 24.44,27.78 21.43,27.78 J80.6